# Allegro board 8880F5-0826_3.brd (continued)
## Routing (per net, layer and track width the routed paths; a pad name or vN(x,y) marks a point on that pad's centre or on a via; arc(x,y) is an arc through that point) (continued)
197.31,342.9 ; CSDPS429.B2 198.93,342.9 ; CSDPS429.B2 198.12,343.71 ; D114.B9 328.47,350.52 ; D114.B9 327.66,349.71 ; D114.B9 326.85,350.52 ; D114.B9 327.66,351.33 ; D127.B14 45.72,61.77 ; D127.B14 44.91,60.96 ; D127.B14 45.72,60.15 ; D127.B14 46.53,60.96 ; D302.B8 325.83,71.12 ; D302.B8 325.12,71.83 ; D302.B8 324.41,71.12 ; D302.B8 325.12,70.41 ; D431.A6 187.96,384.35 ; D431.A6 187.15,383.54 ; D431.A6 188.77,383.54 ; D431.A6 187.96,382.73 ; 327.66,329.39 D113.B9 ; D113.B9 326.85,330.2 ; D113.B9 327.66,331.01 ; D113.B9 328.47,330.2 ; D119.B10 182.88,61.77 ; D119.B10 183.69,60.96 ; D119.B10 182.07,60.96 ; D119.B10 182.88,60.15 ; 418.39,91.44 D305.B16 ; D305.B16 419.1,90.73 ; D305.B16 419.81,91.44 ; D305.B16 419.1,92.15 ; D131.B1 87.17,58.42 ; D131.B1 85.55,58.42 ; D131.B1 86.36,57.61 ; D131.B1 86.36,59.23 ; D115.B7 332.74,371.65 ; D115.B7 332.74,370.03 ; D115.B7 331.93,370.84 ; D115.B7 333.55,370.84 ; D111.A6 408.94,374.19 ; D111.A6 408.13,373.38 ; D111.A6 408.94,372.57 ; D111.A6 409.75,373.38 ; 180.34,329.39 CSDPS229.C9 ; CSDPS229.C9 179.53,330.2 ; CSDPS229.C9 180.34,331.01 ; CSDPS229.C9 181.15,330.2 ; CSDPS429.C1 200.66,341.17 ; CSDPS429.C1 201.47,340.36 ; CSDPS429.C1 199.85,340.36 ; CSDPS429.C1 200.66,339.55 ; D114.A6 335.28,353.87 ; D114.A6 335.28,352.25 ; D114.A6 336.09,353.06 ; D114.A6 334.47,353.06 ; 342.09,335.28 D113.A3 ; D113.A3 342.9,336.09 ; D113.A3 343.71,335.28 ; D113.A3 342.9,334.47 ; 254,83.11 D321.A9 ; D321.A9 254,84.53 ; D321.A9 254.71,83.82 ; D321.A9 253.29,83.82 ; 243.03,13.97 DPS3.A05 ; DPS3.A05 243.84,14.78 ; DPS3.A05 243.84,13.16 ; DPS3.A05 244.65,13.97 ; D106.B4 388.62,82.09 ; D106.B4 387.81,81.28 ; D106.B4 389.43,81.28 ; D106.B4 388.62,80.47 ; D112.A15 386.89,396.24 ; D112.A15 385.27,396.24 ; D112.A15 386.08,397.05 ; D112.A15 386.08,395.43 ; 106.68,52.53 D131.A9 ; D131.A9 105.87,53.34 ; D131.A9 107.49,53.34 ; D131.A9 106.68,54.15 ; D110.A4 414.83,353.06 ; D110.A4 414.02,353.87 ; D110.A4 413.21,353.06 ; D110.A4 414.02,352.25 ; 307.34,57.61 D103.B1 ; D103.B1 308.15,58.42 ; D103.B1 306.53,58.42 ; D103.B1 307.34,59.23 ; D431.A9 180.34,386.89 ; D431.A9 179.53,386.08 ; D431.A9 181.15,386.08 ; D431.A9 180.34,385.27 ; SITE4.G9 330.81,187.93 ; SITE4.G9 330.33,188.41 ; SITE4.G9 329.85,187.93 ; SITE4.G9 330.33,187.45 ; D301.A4 315.67,86.36 ; D301.A4 314.96,87.07 ; D301.A4 314.25,86.36 ; D301.A4 314.96,85.65 ; 238.05,68.58 D322.B3 ; D322.B3 238.76,67.87 ; D322.B3 239.47,68.58 ; D322.B3 238.76,69.29 ; 237.95,340.36 CSDPS425.C15 ; CSDPS425.C15 238.76,341.17 ; CSDPS425.C15 239.57,340.36 ; CSDPS425.C15 238.76,339.55 ; D112.A11 396.24,397.05 ; D112.A11 396.24,395.43 ; D112.A11 395.43,396.24 ; D112.A11 397.05,396.24 ; 406.4,32.21 D108.A11 ; D108.A11 406.4,33.83 ; D108.A11 405.59,33.02 ; D108.A11 407.21,33.02 ; 170.18,72.85 D118.A5 ; D118.A5 170.18,74.47 ; D118.A5 169.37,73.66 ; D118.A5 170.99,73.66 ; 385.37,68.58 D306.B3 ; D306.B3 386.08,67.87 ; D306.B3 386.79,68.58 ; D306.B3 386.08,69.29 ; D306.B2 383.54,71.83 ; D306.B2 382.83,71.12 ; D306.B2 383.54,70.41 ; D306.B2 384.25,71.12 ; D106.A4 389.43,76.2 ; D106.A4 388.62,77.01 ; D106.A4 387.81,76.2 ; D106.A4 388.62,75.39 ; D126.B7 28.75,78.74 ; D126.B7 27.94,79.55 ; D126.B7 27.13,78.74 ; D126.B7 27.94,77.93 ; 327.66,72.85 D102.A9 ; D102.A9 328.47,73.66 ; D102.A9 327.66,74.47 ; D102.A9 326.85,73.66 ; D231.B13 170.18,371.65 ; D231.B13 170.18,370.03 ; D231.B13 170.99,370.84 ; D231.B13 169.37,370.84 ; 314.96,60.15 D103.B4 ; D103.B4 314.15,60.96 ; D103.B4 314.96,61.77 ; D103.B4 315.77,60.96 ; D113.A15 312.42,336.09 ; D113.A15 313.23,335.28 ; D113.A15 311.61,335.28 ; D113.A15 312.42,334.47 ; 176.99,60.96 D119.B8 ; D119.B8 178.61,60.96 ; D119.B8 177.8,61.77 ; D119.B8 177.8,60.15 ; D302.B11 333.45,68.58 ; D302.B11 332.03,68.58 ; D302.B11 332.74,67.87 ; D302.B11 332.74,69.29 ; 172.72,75.39 D118.A6 ; D118.A6 171.91,76.2 ; D118.A6 173.53,76.2 ; D118.A6 172.72,77.01 ; 48.26,37.29 D128.B15 ; D128.B15 48.26,38.91 ; D128.B15 49.07,38.1 ; D128.B15 47.45,38.1 ; D119.B13 190.5,59.23 ; D119.B13 190.5,57.61 ; D119.B13 189.69,58.42 ; D119.B13 191.31,58.42 ; D124.B10 257.35,40.64 ; D124.B10 256.54,39.83 ; D124.B10 255.73,40.64 ; D124.B10 256.54,41.45 ; D113.A2 346.25,332.74 ; D113.A2 344.63,332.74 ; D113.A2 345.44,333.55 ; D113.A2 345.44,331.93 ; 344.63,81.28 D102.B16 ; D102.B16 346.25,81.28 ; D102.B16 345.44,80.47 ; D102.B16 345.44,82.09 ; 45.72,55.07 D127.A14 ; D127.A14 45.72,56.69 ; D127.A14 44.91,55.88 ; D127.A14 46.53,55.88 ; D113.B15 313.23,330.2 ; D113.B15 312.42,331.01 ; D113.B15 312.42,329.39 ; D113.B15 311.61,330.2 ; 400.51,396.24 D112.A9 ; D112.A9 401.32,397.05 ; D112.A9 401.32,395.43 ; D112.A9 402.13,396.24 ; 193.04,75.39 D118.A14 ; D118.A14 193.04,77.01 ; D118.A14 192.23,76.2 ; D118.A14 193.85,76.2 ; CSDPS425.C1 274.32,341.17 ; CSDPS425.C1 275.13,340.36 ; CSDPS425.C1 274.32,339.55 ; CSDPS425.C1 273.51,340.36 ; 405.59,38.1 D108.B11 ; D108.B11 407.21,38.1 ; D108.B11 406.4,38.91 ; D108.B11 406.4,37.29 ; 182.88,70.41 D318.B10 ; D318.B10 183.59,71.12 ; D318.B10 182.88,71.83 ; D318.B10 182.17,71.12 ; D431.B6 187.96,379.27 ; D431.B6 187.96,377.65 ; D431.B6 188.77,378.46 ; D431.B6 187.15,378.46 ; 160.02,32.21 D120.A1 ; D120.A1 159.21,33.02 ; D120.A1 160.02,33.83 ; D120.A1 160.83,33.02 ; DPS3.C05 243.84,19.86 ; DPS3.C05 243.03,19.05 ; DPS3.C05 244.65,19.05 ; DPS3.C05 243.84,18.24 ; 325.12,60.15 D103.B8 ; D103.B8 324.31,60.96 ; D103.B8 325.93,60.96 ; D103.B8 325.12,61.77 ; SITE2.G15 331.43,243.31 ; SITE2.G15 330.95,242.83 ; SITE2.G15 331.43,242.35 ; SITE2.G15 331.91,242.83 ; 246.38,65.33 D322.A6 ; D322.A6 247.09,66.04 ; D322.A6 246.38,66.75 ; D322.A6 245.67,66.04 ; 258.27,330.2 CSDPS225.C7 ; CSDPS225.C7 259.89,330.2 ; CSDPS225.C7 259.08,331.01 ; CSDPS225.C7 259.08,329.39 ; 27.94,52.53 D127.A7 ; D127.A7 27.13,53.34 ; D127.A7 28.75,53.34 ; D127.A7 27.94,54.15 ; 40.64,34.75 D128.A12 ; D128.A12 39.83,35.56 ; D128.A12 40.64,36.37 ; D128.A12 41.45,35.56 ; 264.16,88.19 D321.B13 ; D321.B13 264.16,89.61 ; D321.B13 264.87,88.9 ; D321.B13 263.45,88.9 ; 255.83,91.44 D321.B10 ; D321.B10 256.54,92.15 ; D321.B10 257.25,91.44 ; D321.B10 256.54,90.73 ; D127.B5 22.86,59.23 ; D127.B5 22.05,58.42 ; D127.B5 22.86,57.61 ; D127.B5 23.67,58.42 ; 160.02,57.61 D119.B1 ; D119.B1 160.02,59.23 ; D119.B1 159.21,58.42 ; D119.B1 160.83,58.42 ; D108.A2 384.35,35.56 ; D108.A2 383.54,36.37 ; D108.A2 382.73,35.56 ; D108.A2 383.54,34.75 ; 184.61,381 D431.B7 ; D431.B7 185.42,380.19 ; D431.B7 185.42,381.81 ; D431.B7 186.23,381 ; 161.75,55.88 D119.A2 ; D119.A2 162.56,56.69 ; D119.A2 162.56,55.07 ; D119.A2 163.37,55.88 ; 194.77,370.84 D231.B3 ; D231.B3 196.39,370.84 ; D231.B3 195.58,371.65 ; D231.B3 195.58,370.03 ; 390.35,375.92 D111.A13 ; D111.A13 391.97,375.92 ; D111.A13 391.16,375.11 ; D111.A13 391.16,376.73 ; 342.9,370.03 D115.B3 ; D115.B3 343.71,370.84 ; D115.B3 342.09,370.84 ; D115.B3 342.9,371.65 ; D318.A5 170.18,64.21 ; D318.A5 170.89,63.5 ; D318.A5 169.47,63.5 ; D318.A5 170.18,62.79 ; D103.B5 318.31,58.42 ; D103.B5 317.5,59.23 ; D103.B5 317.5,57.61 ; D103.B5 316.69,58.42 ; D127.B8 30.48,61.77 ; D127.B8 30.48,60.15 ; D127.B8 29.67,60.96 ; D127.B8 31.29,60.96 ; D107.A11 406.4,54.15 ; D107.A11 407.21,53.34 ; D107.A11 406.4,52.53 ; D107.A11 405.59,53.34 ; D104.B4 315.77,40.64 ; D104.B4 314.96,39.83 ; D104.B4 314.15,40.64 ; D104.B4 314.96,41.45 ; D124.B11 259.89,38.1 ; D124.B11 259.08,38.91 ; D124.B11 258.27,38.1 ; D124.B11 259.08,37.29 ; D104.B2 310.69,40.64 ; D104.B2 309.07,40.64 ; D104.B2 309.88,39.83 ; D104.B2 309.88,41.45 ; D322.A11 259.08,64.21 ; D322.A11 259.79,63.5 ; D322.A11 259.08,62.79 ; D322.A11 258.37,63.5 ; SITE4.G4 331.81,181.33 ; SITE4.G4 331.33,181.81 ; SITE4.G4 331.33,180.85 ; SITE4.G4 330.85,181.33 ; 416.56,329.39 D109.B3 ; D109.B3 415.75,330.2 ; D109.B3 417.37,330.2 ; D109.B3 416.56,331.01 ; D102.A10 330.2,77.01 ; D102.A10 329.39,76.2 ; D102.A10 331.01,76.2 ; D102.A10 330.2,75.39 ; D127.B15 49.07,58.42 ; D127.B15 47.45,58.42 ; D127.B15 48.26,59.23 ; D127.B15 48.26,57.61 ; D231.A9 181.15,375.92 ; D231.A9 180.34,375.11 ; D231.A9 180.34,376.73 ; D231.A9 179.53,375.92 ; 414.02,60.15 D107.B14 ; D107.B14 414.83,60.96 ; D107.B14 413.21,60.96 ; D107.B14 414.02,61.77 ; 322.58,334.47 D113.A11 ; D113.A11 321.77,335.28 ; D113.A11 322.58,336.09 ; D113.A11 323.39,335.28 ; D107.A9 402.13,53.34 ; D107.A9 400.51,53.34 ; D107.A9 401.32,52.53 ; D107.A9 401.32,54.15 ; 408.94,352.25 D110.A6 ; D110.A6 409.75,353.06 ; D110.A6 408.94,353.87 ; D110.A6 408.13,353.06 ; 174.45,340.36 CSDPS429.C11 ; CSDPS429.C11 175.26,339.55 ; CSDPS429.C11 176.07,340.36 ; CSDPS429.C11 175.26,341.17 ; 199.85,381 D431.B1 ; D431.B1 200.66,381.81 ; D431.B1 201.47,381 ; D431.B1 200.66,380.19 ; D113.B1 347.98,331.01 ; D113.B1 348.79,330.2 ; D113.B1 347.98,329.39 ; D113.B1 347.17,330.2 ; 105.87,58.42 D131.B9 ; D131.B9 106.68,57.61 ; D131.B9 106.68,59.23 ; D131.B9 107.49,58.42 ; 113.49,76.2 D130.A12 ; D130.A12 115.11,76.2 ; D130.A12 114.3,75.39 ; D130.A12 114.3,77.01 ; 182.88,65.33 D318.A10 ; D318.A10 183.59,66.04 ; D318.A10 182.17,66.04 ; D318.A10 182.88,66.75 ; D103.A13 338.63,53.34 ; D103.A13 337.82,54.15 ; D103.A13 337.82,52.53 ; D103.A13 337.01,53.34 ; 332.85,241.33 SITE2.G6 ; SITE2.G6 333.33,240.85 ; SITE2.G6 333.33,241.81 ; SITE2.G6 333.81,241.33 ; 22.86,72.85 D126.A5 ; D126.A5 23.67,73.66 ; D126.A5 22.05,73.66 ; D126.A5 22.86,74.47 ; D131.B6 99.87,60.96 ; D131.B6 99.06,61.77 ; D131.B6 99.06,60.15 ; D131.B6 98.25,60.96 ; D318.A16 198.12,66.75 ; D318.A16 198.83,66.04 ; D318.A16 198.12,65.33 ; D318.A16 197.41,66.04 ; D317.B10 182.88,92.15 ; D317.B10 182.17,91.44 ; D317.B10 182.88,90.73 ; D317.B10 183.59,91.44 ; D110.A1 421.64,356.41 ; D110.A1 420.83,355.6 ; D110.A1 421.64,354.79 ; D110.A1 422.45,355.6 ; D104.A7 322.58,33.83 ; D104.A7 323.39,33.02 ; D104.A7 322.58,32.21 ; D104.A7 321.77,33.02 ; D131.A13 116.84,54.15 ; D131.A13 117.65,53.34 ; D131.A13 116.03,53.34 ; D131.A13 116.84,52.53 ; SITE3.G10 251.33,188.41 ; SITE3.G10 250.85,187.93 ; SITE3.G10 251.81,187.93 ; SITE3.G10 251.33,187.45 ; D231.A2 198.12,374.19 ; D231.A2 198.93,373.38 ; D231.A2 197.31,373.38 ; D231.A2 198.12,372.57 ; SITE1.G9 250.81,247.93 ; SITE1.G9 250.33,247.45 ; SITE1.G9 250.33,248.41 ; SITE1.G9 249.85,247.93 ; D302.A15 342.9,64.21 ; D302.A15 342.9,62.79 ; D302.A15 342.19,63.5 ; D302.A15 343.61,63.5 ; 91.44,98.25 D129.B3 ; D129.B3 91.44,99.87 ; D129.B3 92.25,99.06 ; D129.B3 90.63,99.06 ; 398.78,347.17 D110.B10 ; D110.B10 397.97,347.98 ; D110.B10 398.78,348.79 ; D110.B10 399.59,347.98 ; D231.B2 198.12,369.11 ; D231.B2 197.31,368.3 ; D231.B2 198.93,368.3 ; D231.B2 198.12,367.49 ; CSDPS225.C9 254.81,330.2 ; CSDPS225.C9 253.19,330.2 ; CSDPS225.C9 254,329.39 ; CSDPS225.C9 254,331.01 ; D103.A3 313.23,53.34 ; D103.A3 312.42,52.53 ; D103.A3 312.42,54.15 ; D103.A3 311.61,53.34 ; 33.02,37.29 D128.B9 ; D128.B9 33.02,38.91 ; D128.B9 32.21,38.1 ; D128.B9 33.83,38.1 ; CSDPS425.B6 261.62,343.71 ; CSDPS425.B6 260.81,342.9 ; CSDPS425.B6 261.62,342.09 ; CSDPS425.B6 262.43,342.9 ; SITE4.G19 331.43,186.91 ; SITE4.G19 331.43,185.95 ; SITE4.G19 330.95,186.43 ; SITE4.G19 331.91,186.43 ; D107.A14 414.02,56.69 ; D107.A14 414.83,55.88 ; D107.A14 413.21,55.88 ; D107.A14 414.02,55.07 ; D318.A7 175.26,64.21 ; D318.A7 174.55,63.5 ; D318.A7 175.26,62.79 ; D318.A7 175.97,63.5 ; D115.A9 328.47,375.92 ; D115.A9 327.66,376.73 ; D115.A9 326.85,375.92 ; D115.A9 327.66,375.11 ; 98.25,55.88 D131.A6 ; D131.A6 99.87,55.88 ; D131.A6 99.06,55.07 ; D131.A6 99.06,56.69 ; 392.89,388.62 D112.B12 ; D112.B12 393.7,389.43 ; D112.B12 393.7,387.81 ; D112.B12 394.51,388.62 ; 111.76,98.25 D129.B11 ; D129.B11 112.57,99.06 ; D129.B11 111.76,99.87 ; D129.B11 110.95,99.06 ; D111.B2 419.1,369.11 ; D111.B2 419.1,367.49 ; D111.B2 419.91,368.3 ; D111.B2 418.29,368.3 ; 397.97,373.38 D111.A10 ; D111.A10 398.78,372.57 ; D111.A10 398.78,374.19 ; D111.A10 399.59,373.38 ; D301.B12 335.28,92.15 ; D301.B12 335.28,90.73 ; D301.B12 335.99,91.44 ; D301.B12 334.57,91.44 ; D125.A16 50.8,97.33 ; D125.A16 49.99,96.52 ; D125.A16 50.8,95.71 ; D125.A16 51.61,96.52 ; D231.A12 172.72,374.19 ; D231.A12 172.72,372.57 ; D231.A12 173.53,373.38 ; D231.A12 171.91,373.38 ; 342.9,52.53 D103.A15 ; D103.A15 342.9,54.15 ; D103.A15 342.09,53.34 ; D103.A15 343.71,53.34 ; 190.5,52.53 D119.A13 ; D119.A13 189.69,53.34 ; D119.A13 190.5,54.15 ; D119.A13 191.31,53.34 ; D321.B15 269.95,88.9 ; D321.B15 268.53,88.9 ; D321.B15 269.24,88.19 ; D321.B15 269.24,89.61 ; D119.A9 181.15,53.34 ; D119.A9 180.34,54.15 ; D119.A9 180.34,52.53 ; D119.A9 179.53,53.34 ; D301.A7 322.58,84.53 ; D301.A7 322.58,83.11 ; D301.A7 321.87,83.82 ; D301.A7 323.29,83.82 ; 172.72,90.73 D317.B6 ; D317.B6 172.72,92.15 ; D317.B6 172.01,91.44 ; D317.B6 173.43,91.44 ; 328.85,187.93 SITE4.G8 ; SITE4.G8 329.33,187.45 ; SITE4.G8 329.81,187.93 ; SITE4.G8 329.33,188.41 ; 263.45,83.82 D321.A13 ; D321.A13 264.16,84.53 ; D321.A13 264.16,83.11 ; D321.A13 264.87,83.82 ; UNK3U1.4 97.29,162.79 ; UNK3U1.4 98.23,161.85 ; UNK3U1.4 96.35,161.85 ; UNK3U1.4 97.29,160.91 ; 331.43,245.95 SITE2.G19 ; SITE2.G19 331.43,246.91 ; SITE2.G19 330.95,246.43 ; SITE2.G19 331.91,246.43 ; D321.B5 244.55,88.9 ; D321.B5 243.84,89.61 ; D321.B5 243.13,88.9 ; D321.B5 243.84,88.19 ; 32.21,93.98 D125.A9 ; D125.A9 33.02,94.79 ; D125.A9 33.02,93.17 ; D125.A9 33.83,93.98 ; 187.96,85.65 D317.A12 ; D317.A12 188.67,86.36 ; D317.A12 187.96,87.07 ; D317.A12 187.25,86.36 ; 342.9,32.21 D104.A15 ; D104.A15 342.09,33.02 ; D104.A15 342.9,33.83 ; D104.A15 343.71,33.02 ; D129.A1 87.17,93.98 ; D129.A1 86.36,93.17 ; D129.A1 86.36,94.79 ; D129.A1 85.55,93.98 ; 82.37,209.04 S3_I2C.4 ; S3_I2C.4 83.31,209.98 ; S3_I2C.4 84.25,209.04 ; S3_I2C.4 83.31,208.1 ; 187.15,60.96 D119.B12 ; D119.B12 187.96,60.15 ; D119.B12 187.96,61.77 ; D119.B12 188.77,60.96 ; 380.19,53.34 D107.A1 ; D107.A1 381.81,53.34 ; D107.A1 381,54.15 ; D107.A1 381,52.53 ; 15.24,34.75 D128.A2 ; D128.A2 14.43,35.56 ; D128.A2 15.24,36.37 ; D128.A2 16.05,35.56 ; D305.B7 396.95,88.9 ; D305.B7 395.53,88.9 ; D305.B7 396.24,88.19 ; D305.B7 396.24,89.61 ; DPS1.C15 417.37,19.05 ; DPS1.C15 416.56,19.86 ; DPS1.C15 416.56,18.24 ; DPS1.C15 415.75,19.05 ; 182.88,382.73 D431.A8 ; D431.A8 183.69,383.54 ; D431.A8 182.07,383.54 ; D431.A8 182.88,384.35 ; D107.A6 393.7,56.69 ; D107.A6 392.89,55.88 ; D107.A6 393.7,55.07 ; D107.A6 394.51,55.88 ; SITE1.G8 249.33,248.41 ; SITE1.G8 249.33,247.45 ; SITE1.G8 248.85,247.93 ; SITE1.G8 249.81,247.93 ; D127.B13 43.99,58.42 ; D127.B13 42.37,58.42 ; D127.B13 43.18,57.61 ; D127.B13 43.18,59.23 ; D112.A12 394.51,393.7 ; D112.A12 393.7,394.51 ; D112.A12 393.7,392.89 ; D112.A12 392.89,393.7 ; 182.07,76.2 D118.A10 ; D118.A10 182.88,75.39 ; D118.A10 182.88,77.01 ; D118.A10 183.69,76.2 ; D231.B17 160.83,370.84 ; D231.B17 160.02,370.03 ; D231.B17 159.21,370.84 ; D231.B17 160.02,371.65 ; D120.B13 191.31,38.1 ; D120.B13 190.5,37.29 ; D120.B13 189.69,38.1 ; D120.B13 190.5,38.91 ; D122.A2 236.22,77.01 ; D122.A2 236.22,75.39 ; D122.A2 235.41,76.2 ; D122.A2 237.03,76.2 ; 337.01,415.29 DPS2.A05 ; DPS2.A05 338.63,415.29 ; DPS2.A05 337.82,416.1 ; DPS2.A05 337.82,414.48 ; SITE4.G6 333.33,181.81 ; SITE4.G6 333.33,180.85 ; SITE4.G6 332.85,181.33 ; SITE4.G6 333.81,181.33 ; 405.59,73.66 D106.A11 ; D106.A11 407.21,73.66 ; D106.A11 406.4,72.85 ; D106.A11 406.4,74.47 ; D116.A16 310.69,393.7 ; D116.A16 309.88,392.89 ; D116.A16 309.07,393.7 ; D116.A16 309.88,394.51 ; D116.B14 314.96,389.43 ; D116.B14 315.77,388.62 ; D116.B14 314.15,388.62 ; D116.B14 314.96,387.81 ; D431.B10 177.8,379.27 ; D431.B10 178.61,378.46 ; D431.B10 177.8,377.65 ; D431.B10 176.99,378.46 ; D111.A4 414.02,374.19 ; D111.A4 413.21,373.38 ; D111.A4 414.83,373.38 ; D111.A4 414.02,372.57 ; D108.B8 399.59,40.64 ; D108.B8 398.78,39.83 ; D108.B8 398.78,41.45 ; D108.B8 397.97,40.64 ; 391.16,390.35 D112.B13 ; D112.B13 390.35,391.16 ; D112.B13 391.97,391.16 ; D112.B13 391.16,391.97 ; 248.21,83.82 D321.A7 ; D321.A7 248.92,84.53 ; D321.A7 249.63,83.82 ; D321.A7 248.92,83.11 ; 93.17,40.64 D132.B4 ; D132.B4 93.98,39.83 ; D132.B4 94.79,40.64 ; D132.B4 93.98,41.45 ; 387.81,388.62 D112.B14 ; D112.B14 388.62,389.43 ; D112.B14 389.43,388.62 ; D112.B14 388.62,387.81 ; U1.4 97.98,205.54 ; U1.4 96.1,205.54 ; U1.4 97.04,206.48 ; U1.4 97.04,204.6 ; 383.54,387.81 D112.B16 ; D112.B16 384.35,388.62 ; D112.B16 382.73,388.62 ; D112.B16 383.54,389.43 ; D321.A11 259.08,84.53 ; D321.A11 258.37,83.82 ; D321.A11 259.79,83.82 ; D321.A11 259.08,83.11 ; SITE3.G12 253.81,187.93 ; SITE3.G12 253.33,188.41 ; SITE3.G12 253.33,187.45 ; SITE3.G12 252.85,187.93 ; 416.56,349.71 D110.B3 ; D110.B3 417.37,350.52 ; D110.B3 415.75,350.52 ; D110.B3 416.56,351.33 ; 232.87,38.1 D124.B1 ; D124.B1 233.68,37.29 ; D124.B1 234.49,38.1 ; D124.B1 233.68,38.91 ; D302.A6 320.04,66.75 ; D302.A6 320.04,65.33 ; D302.A6 320.75,66.04 ; D302.A6 319.33,66.04 ; D116.A4 340.36,394.51 ; D116.A4 340.36,392.89 ; D116.A4 339.55,393.7 ; D116.A4 341.17,393.7 ; D231.A15 165.1,376.73 ; D231.A15 165.91,375.92 ; D231.A15 165.1,375.11 ; D231.A15 164.29,375.92 ; 398.78,75.39 D106.A8 ; D106.A8 398.78,77.01 ; D106.A8 399.59,76.2 ; D106.A8 397.97,76.2 ; D132.B5 97.33,38.1 ; D132.B5 96.52,37.29 ; D132.B5 96.52,38.91 ; D132.B5 95.71,38.1 ; D119.B14 193.85,60.96 ; D119.B14 193.04,61.77 ; D119.B14 193.04,60.15 ; D119.B14 192.23,60.96 ; 166.93,86.36 D317.A4 ; D317.A4 168.35,86.36 ; D317.A4 167.64,87.07 ; D317.A4 167.64,85.65 ; D129.B5 97.33,99.06 ; D129.B5 96.52,98.25 ; D129.B5 95.71,99.06 ; D129.B5 96.52,99.87 ; D114.B8 331.01,347.98 ; D114.B8 329.39,347.98 ; D114.B8 330.2,347.17 ; D114.B8 330.2,348.79 ; 396.24,354.79 D110.A11 ; D110.A11 397.05,355.6 ; D110.A11 395.43,355.6 ; D110.A11 396.24,356.41 ; 261.62,34.75 D124.A12 ; D124.A12 260.81,35.56 ; D124.A12 261.62,36.37 ; D124.A12 262.43,35.56 ; D122.B10 257.35,81.28 ; D122.B10 256.54,82.09 ; D122.B10 255.73,81.28 ; D122.B10 256.54,80.47 ; D302.B3 313.13,68.58 ; D302.B3 311.71,68.58 ; D302.B3 312.42,69.29 ; D302.B3 312.42,67.87 ; D302.A3 312.42,64.21 ; D302.A3 312.42,62.79 ; D302.A3 311.71,63.5 ; D302.A3 313.13,63.5 ; 339.55,40.64 D104.B14 ; D104.B14 341.17,40.64 ; D104.B14 340.36,39.83 ; D104.B14 340.36,41.45 ; D321.B11 259.08,89.61 ; D321.B11 258.37,88.9 ; D321.B11 259.79,88.9 ; D321.B11 259.08,88.19 ; 337.01,73.66 D102.A13 ; D102.A13 337.82,74.47 ; D102.A13 338.63,73.66 ; D102.A13 337.82,72.85 ; 91.44,57.61 D131.B3 ; D131.B3 91.44,59.23 ; D131.B3 92.25,58.42 ; D131.B3 90.63,58.42 ; 85.55,78.74 D130.B1 ; D130.B1 87.17,78.74 ; D130.B1 86.36,79.55 ; D130.B1 86.36,77.93 ; D131.B12 114.3,61.77 ; D131.B12 114.3,60.15 ; D131.B12 115.11,60.96 ; D131.B12 113.49,60.96 ; 400.51,38.1 D108.B9 ; D108.B9 401.32,38.91 ; D108.B9 402.13,38.1 ; D108.B9 401.32,37.29 ; D126.A8 31.29,76.2 ; D126.A8 30.48,77.01 ; D126.A8 30.48,75.39 ; D126.A8 29.67,76.2 ; D130.B14 120.19,81.28 ; D130.B14 118.57,81.28 ; D130.B14 119.38,80.47 ; D130.B14 119.38,82.09 ; 243.84,62.79 D322.A5 ; D322.A5 243.13,63.5 ; D322.A5 243.84,64.21 ; D322.A5 244.55,63.5 ; 187.96,70.41 D318.B12 ; D318.B12 187.25,71.12 ; D318.B12 188.67,71.12 ; D318.B12 187.96,71.83 ; D111.B10 399.59,368.3 ; D111.B10 398.78,367.49 ; D111.B10 398.78,369.11 ; D111.B10 397.97,368.3 ; D317.A5 170.18,84.53 ; D317.A5 170.18,83.11 ; D317.A5 170.89,83.82 ; D317.A5 169.47,83.82 ; D306.B7 396.24,69.29 ; D306.B7 396.95,68.58 ; D306.B7 395.53,68.58 ; D306.B7 396.24,67.87 ; 314.15,353.06 D114.A14 ; D114.A14 314.96,353.87 ; D114.A14 315.77,353.06 ; D114.A14 314.96,352.25 ; D126.A11 38.91,73.66 ; D126.A11 38.1,72.85 ; D126.A11 37.29,73.66 ; D126.A11 38.1,74.47 ; D108.A1 381,33.83 ; D108.A1 380.19,33.02 ; D108.A1 381.81,33.02 ; D108.A1 381,32.21 ; CSDPS429.B6 188.77,342.9 ; CSDPS429.B6 187.96,342.09 ; CSDPS429.B6 187.15,342.9 ; CSDPS429.B6 187.96,343.71 ; 174.45,386.08 D431.A11 ; D431.A11 176.07,386.08 ; D431.A11 175.26,386.89 ; D431.A11 175.26,385.27 ; D306.B8 398.78,71.83 ; D306.B8 399.49,71.12 ; D306.B8 398.78,70.41 ; D306.B8 398.07,71.12 ; 93.17,60.96 D131.B4 ; D131.B4 93.98,61.77 ; D131.B4 93.98,60.15 ; D131.B4 94.79,60.96 ; 331.93,33.02 D104.A11 ; D104.A11 333.55,33.02 ; D104.A11 332.74,32.21 ; D104.A11 332.74,33.83 ; D109.B6 408.94,328.47 ; D109.B6 408.13,327.66 ; D109.B6 408.94,326.85 ; D109.B6 409.75,327.66 ; 337.01,391.16 D116.B5 ; D116.B5 337.82,390.35 ; D116.B5 338.63,391.16 ; D116.B5 337.82,391.97 ; 116.03,93.98 D129.A13 ; D129.A13 117.65,93.98 ; D129.A13 116.84,93.17 ; D129.A13 116.84,94.79 ; 180.34,380.19 D431.B9 ; D431.B9 181.15,381 ; D431.B9 180.34,381.81 ; D431.B9 179.53,381 ; D109.A7 407.21,335.28 ; D109.A7 405.59,335.28 ; D109.A7 406.4,334.47 ; D109.A7 406.4,336.09 ; D112.A8 404.67,393.7 ; D112.A8 403.86,394.51 ; D112.A8 403.05,393.7 ; D112.A8 403.86,392.89 ; D322.A14 266.7,66.75 ; D322.A14 266.7,65.33 ; D322.A14 265.99,66.04 ; D322.A14 267.41,66.04 ; D321.A3 239.47,83.82 ; D321.A3 238.76,84.53 ; D321.A3 238.05,83.82 ; D321.A3 238.76,83.11 ; D128.B11 38.1,38.91 ; D128.B11 38.1,37.29 ; D128.B11 38.91,38.1 ; D128.B11 37.29,38.1 ; D302.B4 315.67,71.12 ; D302.B4 314.96,71.83 ; D302.B4 314.25,71.12 ; D302.B4 314.96,70.41 ; 408.13,40.64 D108.B12 ; D108.B12 408.94,39.83 ; D108.B12 408.94,41.45 ; D108.B12 409.75,40.64 ; 312.42,88.19 D301.B3 ; D301.B3 313.13,88.9 ; D301.B3 311.71,88.9 ; D301.B3 312.42,89.61 ; D119.B4 167.64,61.77 ; D119.B4 167.64,60.15 ; D119.B4 168.45,60.96 ; D119.B4 166.83,60.96 ; D131.A11 111.76,54.15 ; D131.A11 112.57,53.34 ; D131.A11 110.95,53.34 ; D131.A11 111.76,52.53 ; 170.18,375.11 D231.A13 ; D231.A13 170.99,375.92 ; D231.A13 169.37,375.92 ; D231.A13 170.18,376.73 ; D114.A3 342.9,356.41 ; D114.A3 342.09,355.6 ; D114.A3 343.71,355.6 ; D114.A3 342.9,354.79 ; D126.B14 46.53,81.28 ; D126.B14 45.72,80.47 ; D126.B14 45.72,82.09 ; D126.B14 44.91,81.28 ; D111.A5 412.29,375.92 ; D111.A5 411.48,375.11 ; D111.A5 411.48,376.73 ; D111.A5 410.67,375.92 ; 269.24,18.24 DPS3.C15 ; DPS3.C15 269.24,19.86 ; DPS3.C15 268.43,19.05 ; DPS3.C15 270.05,19.05 ; 406.4,375.11 D111.A7 ; D111.A7 406.4,376.73 ; D111.A7 405.59,375.92 ; D111.A7 407.21,375.92 ; 159.21,386.08 D431.A17 ; D431.A17 160.02,386.89 ; D431.A17 160.02,385.27 ; D431.A17 160.83,386.08 ; 406.4,83.11 D305.A11 ; D305.A11 407.11,83.82 ; D305.A11 406.4,84.53 ; D305.A11 405.69,83.82 ; 416.56,67.87 D306.B15 ; D306.B15 415.85,68.58 ; D306.B15 417.27,68.58 ; D306.B15 416.56,69.29 ; D130.A7 102.41,73.66 ; D130.A7 100.79,73.66 ; D130.A7 101.6,74.47 ; D130.A7 101.6,72.85 ; D302.B6 320.04,71.83 ; D302.B6 320.75,71.12 ; D302.B6 319.33,71.12 ; D302.B6 320.04,70.41 ; D120.A8 178.61,35.56 ; D120.A8 177.8,36.37 ; D120.A8 177.8,34.75 ; D120.A8 176.99,35.56 ; D115.A6 335.28,374.19 ; D115.A6 334.47,373.38 ; D115.A6 336.09,373.38 ; D115.A6 335.28,372.57 ; D109.A1 421.64,336.09 ; D109.A1 422.45,335.28 ; D109.A1 420.83,335.28 ; D109.A1 421.64,334.47 ; D127.B11 38.1,59.23 ; D127.B11 38.1,57.61 ; D127.B11 38.91,58.42 ; D127.B11 37.29,58.42 ; D124.B5 243.84,38.91 ; D124.B5 243.84,37.29 ; D124.B5 244.65,38.1 ; D124.B5 243.03,38.1 ; D115.A14 315.77,373.38 ; D115.A14 314.96,374.19 ; D115.A14 314.15,373.38 ; D115.A14 314.96,372.57 ; 256.54,331.93 CSDPS225.B8 ; CSDPS225.B8 257.35,332.74 ; CSDPS225.B8 255.73,332.74 ; CSDPS225.B8 256.54,333.55 ; D301.A16 345.44,87.07 ; D301.A16 346.15,86.36 ; D301.A16 345.44,85.65 ; D301.A16 344.73,86.36 ; 187.96,372.57 D231.A6 ; D231.A6 187.15,373.38 ; D231.A6 187.96,374.19 ; D231.A6 188.77,373.38 ; CSDPS229.B14 168.45,332.74 ; CSDPS229.B14 166.83,332.74 ; CSDPS229.B14 167.64,331.93 ; CSDPS229.B14 167.64,333.55 ; D120.B15 196.39,38.1 ; D120.B15 195.58,38.91 ; D120.B15 194.77,38.1 ; D120.B15 195.58,37.29 ; D131.B7 101.6,59.23 ; D131.B7 100.79,58.42 ; D131.B7 101.6,57.61 ; D131.B7 102.41,58.42 ; SITE2.G17 329.51,246.43 ; SITE2.G17 329.03,245.95 ; SITE2.G17 328.55,246.43 ; SITE2.G17 329.03,246.91 ; 49.99,40.64 D128.B16 ; D128.B16 50.8,39.83 ; D128.B16 51.61,40.64 ; D128.B16 50.8,41.45 ; D130.A11 112.57,73.66 ; D130.A11 111.76,74.47 ; D130.A11 111.76,72.85 ; D130.A11 110.95,73.66 ; 199.85,330.2 CSDPS229.C1 ; CSDPS229.C1 200.66,329.39 ; CSDPS229.C1 200.66,331.01 ; CSDPS229.C1 201.47,330.2 ; D124.B7 248.92,38.91 ; D124.B7 248.92,37.29 ; D124.B7 248.11,38.1 ; D124.B7 249.73,38.1 ; D305.B14 414.73,91.44 ; D305.B14 414.02,90.73 ; D305.B14 414.02,92.15 ; D305.B14 413.31,91.44 ; 185.42,375.11 D231.A7 ; D231.A7 186.23,375.92 ; D231.A7 184.61,375.92 ; D231.A7 185.42,376.73 ; D111.B5 411.48,371.65 ; D111.B5 412.29,370.84 ; D111.B5 410.67,370.84 ; D111.B5 411.48,370.03 ; D128.A5 22.86,33.83 ; D128.A5 22.05,33.02 ; D128.A5 22.86,32.21 ; D128.A5 23.67,33.02 ; D317.A3 165.1,84.53 ; D317.A3 164.39,83.82 ; D317.A3 165.1,83.11 ; D317.A3 165.81,83.82 ; D127.A16 50.8,56.69 ; D127.A16 49.99,55.88 ; D127.A16 50.8,55.07 ; D127.A16 51.61,55.88 ; D322.B7 249.63,68.58 ; D322.B7 248.92,67.87 ; D322.B7 248.21,68.58 ; D322.B7 248.92,69.29 ; 324.31,55.88 D103.A8 ; D103.A8 325.93,55.88 ; D103.A8 325.12,56.69 ; D103.A8 325.12,55.07 ; 325.12,65.33 D302.A8 ; D302.A8 325.83,66.04 ; D302.A8 324.41,66.04 ; D302.A8 325.12,66.75 ; 403.05,388.62 D112.B8 ; D112.B8 403.86,387.81 ; D112.B8 403.86,389.43 ; D112.B8 404.67,388.62 ; D115.A11 322.58,376.73 ; D115.A11 321.77,375.92 ; D115.A11 323.39,375.92 ; D115.A11 322.58,375.11 ; CSDPS229.C13 170.99,330.2 ; CSDPS229.C13 170.18,329.39 ; CSDPS229.C13 170.18,331.01 ; CSDPS229.C13 169.37,330.2 ; D111.B15 386.89,370.84 ; D111.B15 386.08,370.03 ; D111.B15 386.08,371.65 ; D111.B15 385.27,370.84 ; 385.27,38.1 D108.B3 ; D108.B3 386.89,38.1 ; D108.B3 386.08,37.29 ; D108.B3 386.08,38.91 ; D110.A7 406.4,356.41 ; D110.A7 406.4,354.79 ; D110.A7 407.21,355.6 ; D110.A7 405.59,355.6 ; D231.B10 177.8,369.11 ; D231.B10 176.99,368.3 ; D231.B10 178.61,368.3 ; D231.B10 177.8,367.49 ; 334.47,76.2 D102.A12 ; D102.A12 336.09,76.2 ; D102.A12 335.28,75.39 ; D102.A12 335.28,77.01 ; D132.A11 112.57,33.02 ; D132.A11 111.76,33.83 ; D132.A11 111.76,32.21 ; D132.A11 110.95,33.02 ; 237.95,53.34 D123.A3 ; D123.A3 238.76,54.15 ; D123.A3 238.76,52.53 ; D123.A3 239.57,53.34 ; D126.A7 28.75,73.66 ; D126.A7 27.13,73.66 ; D126.A7 27.94,74.47 ; D126.A7 27.94,72.85 ; 418.29,353.06 D110.A2 ; D110.A2 419.1,352.25 ; D110.A2 419.1,353.87 ; D110.A2 419.91,353.06 ; 340.36,331.93 D113.A4 ; D113.A4 341.17,332.74 ; D113.A4 340.36,333.55 ; D113.A4 339.55,332.74 ; 170.18,380.19 D431.B13 ; D431.B13 170.18,381.81 ; D431.B13 169.37,381 ; D431.B13 170.99,381 ; 408.94,55.07 D107.A12 ; D107.A12 408.13,55.88 ; D107.A12 409.75,55.88 ; D107.A12 408.94,56.69 ; 185.42,62.79 D318.A11 ; D318.A11 186.13,63.5 ; D318.A11 184.71,63.5 ; D318.A11 185.42,64.21 ; D322.B10 257.25,71.12 ; D322.B10 256.54,70.41 ; D322.B10 255.83,71.12 ; D322.B10 256.54,71.83 ; D116.A6 335.28,394.51 ; D116.A6 336.09,393.7 ; D116.A6 335.28,392.89 ; D116.A6 334.47,393.7 ; 386.08,32.21 D108.A3 ; D108.A3 386.89,33.02 ; D108.A3 385.27,33.02 ; D108.A3 386.08,33.83 ; D102.B2 310.69,81.28 ; D102.B2 309.88,82.09 ; D102.B2 309.88,80.47 ; D102.B2 309.07,81.28 ; SITE3.G17 249.51,186.43 ; SITE3.G17 249.03,186.91 ; SITE3.G17 249.03,185.95 ; SITE3.G17 248.55,186.43 ; 105.87,73.66 D130.A9 ; D130.A9 106.68,72.85 ; D130.A9 107.49,73.66 ; D130.A9 106.68,74.47 ; 263.35,38.1 D124.B13 ; D124.B13 264.97,38.1 ; D124.B13 264.16,37.29 ; D124.B13 264.16,38.91 ; 93.98,75.39 D130.A4 ; D130.A4 93.17,76.2 ; D130.A4 93.98,77.01 ; D130.A4 94.79,76.2 ; 326.95,88.9 D301.B9 ; D301.B9 328.37,88.9 ; D301.B9 327.66,88.19 ; D301.B9 327.66,89.61 ; SITE2.G14 330.71,242.83 ; SITE2.G14 329.75,242.83 ; SITE2.G14 330.23,242.35 ; SITE2.G14 330.23,243.31 ; 250.65,342.9 CSDPS425.B10 ; CSDPS425.B10 251.46,342.09 ; CSDPS425.B10 251.46,343.71 ; CSDPS425.B10 252.27,342.9 ; D129.A8 104.14,97.33 ; D129.A8 104.14,95.71 ; D129.A8 103.33,96.52 ; D129.A8 104.95,96.52 ; 332.74,395.43 D116.A7 ; D116.A7 331.93,396.24 ; D116.A7 332.74,397.05 ; D116.A7 333.55,396.24 ; SITE1.G4 251.81,241.33 ; SITE1.G4 251.33,241.81 ; SITE1.G4 251.33,240.85 ; SITE1.G4 250.85,241.33 ; D132.B11 111.76,38.91 ; D132.B11 112.57,38.1 ; D132.B11 110.95,38.1 ; D132.B11 111.76,37.29 ; 253.19,73.66 D122.A9 ; D122.A9 254,72.85 ; D122.A9 254,74.47 ; D122.A9 254.81,73.66 ; D118.B16 198.93,81.28 ; D118.B16 198.12,80.47 ; D118.B16 198.12,82.09 ; D118.B16 197.31,81.28 ; SITE3.G16 253.11,182.83 ; SITE3.G16 252.63,183.31 ; SITE3.G16 252.15,182.83 ; SITE3.G16 252.63,182.35 ; D122.B4 242.11,81.28 ; D122.B4 241.3,82.09 ; D122.B4 240.49,81.28 ; D122.B4 241.3,80.47 ; D116.A3 342.9,397.05 ; D116.A3 343.71,396.24 ; D116.A3 342.9,395.43 ; D116.A3 342.09,396.24 ; D109.B9 401.32,331.01 ; D109.B9 401.32,329.39 ; D109.B9 402.13,330.2 ; D109.B9 400.51,330.2 ; 185.42,385.27 D431.A7 ; D431.A7 184.61,386.08 ; D431.A7 185.42,386.89 ; D431.A7 186.23,386.08 ; CSDPS429.C9 180.34,341.17 ; CSDPS429.C9 181.15,340.36 ; CSDPS429.C9 180.34,339.55 ; CSDPS429.C9 179.53,340.36 ; D131.A3 92.25,53.34 ; D131.A3 90.63,53.34 ; D131.A3 91.44,54.15 ; D131.A3 91.44,52.53 ; 330.2,60.15 D103.B10 ; D103.B10 331.01,60.96 ; D103.B10 329.39,60.96 ; D103.B10 330.2,61.77 ; D322.B15 269.24,69.29 ; D322.B15 269.95,68.58 ; D322.B15 268.53,68.58 ; D322.B15 269.24,67.87 ; D120.B10 183.69,40.64 ; D120.B10 182.88,41.45 ; D120.B10 182.07,40.64 ; D120.B10 182.88,39.83 ; 316.69,33.02 D104.A5 ; D104.A5 318.31,33.02 ; D104.A5 317.5,32.21 ; D104.A5 317.5,33.83 ; D129.B9 107.49,99.06 ; D129.B9 106.68,98.25 ; D129.B9 105.87,99.06 ; D129.B9 106.68,99.87 ; 325.12,352.25 D114.A10 ; D114.A10 325.12,353.87 ; D114.A10 325.93,353.06 ; D114.A10 324.31,353.06 ; D129.B4 93.98,102.41 ; D129.B4 93.98,100.79 ; D129.B4 93.17,101.6 ; D129.B4 94.79,101.6 ; D103.A1 307.34,54.15 ; D103.A1 308.15,53.34 ; D103.A1 307.34,52.53 ; D103.A1 306.53,53.34 ; 90.63,33.02 D132.A3 ; D132.A3 92.25,33.02 ; D132.A3 91.44,33.83 ; D132.A3 91.44,32.21 ; 170.18,57.61 D119.B5 ; D119.B5 170.18,59.23 ; D119.B5 169.37,58.42 ; D119.B5 170.99,58.42 ; 324.31,81.28 D102.B8 ; D102.B8 325.12,80.47 ; D102.B8 325.93,81.28 ; D102.B8 325.12,82.09 ; D321.B1 233.68,89.61 ; D321.B1 232.97,88.9 ; D321.B1 234.39,88.9 ; D321.B1 233.68,88.19 ; D120.A3 165.1,33.83 ; D120.A3 165.1,32.21 ; D120.A3 164.29,33.02 ; D120.A3 165.91,33.02 ; D123.B1 234.49,58.42 ; D123.B1 233.68,57.61 ; D123.B1 233.68,59.23 ; D123.B1 232.87,58.42 ; D125.A12 41.45,96.52 ; D125.A12 40.64,95.71 ; D125.A12 40.64,97.33 ; D125.A12 39.83,96.52 ; 388.62,90.73 D305.B4 ; D305.B4 389.33,91.44 ; D305.B4 388.62,92.15 ; D305.B4 387.91,91.44 ; 385.27,78.74 D106.B3 ; D106.B3 386.08,79.55 ; D106.B3 386.89,78.74 ; D106.B3 386.08,77.93 ; 311.61,78.74 D102.B3 ; D102.B3 312.42,79.55 ; D102.B3 312.42,77.93 ; D102.B3 313.23,78.74 ; 171.91,378.46 D431.B12 ; D431.B12 173.53,378.46 ; D431.B12 172.72,377.65 ; D431.B12 172.72,379.27 ; D132.A13 117.65,33.02 ; D132.A13 116.03,33.02 ; D132.A13 116.84,33.83 ; D132.A13 116.84,32.21 ; D132.B12 114.3,41.45 ; D132.B12 114.3,39.83 ; D132.B12 115.11,40.64 ; D132.B12 113.49,40.64 ; 406.4,13.16 DPS1.A11 ; DPS1.A11 407.21,13.97 ; DPS1.A11 405.59,13.97 ; DPS1.A11 406.4,14.78 ; D305.A1 381,84.53 ; D305.A1 381.71,83.82 ; D305.A1 380.29,83.82 ; D305.A1 381,83.11 ; D302.B1 307.34,69.29 ; D302.B1 308.05,68.58 ; D302.B1 306.63,68.58 ; D302.B1 307.34,67.87 ; 165.1,57.61 D119.B3 ; D119.B3 164.29,58.42 ; D119.B3 165.91,58.42 ; D119.B3 165.1,59.23 ; D122.A14 267.51,76.2 ; D122.A14 266.7,77.01 ; D122.A14 265.89,76.2 ; D122.A14 266.7,75.39 ; 256.54,342.09 CSDPS425.B8 ; CSDPS425.B8 255.73,342.9 ; CSDPS425.B8 257.35,342.9 ; CSDPS425.B8 256.54,343.71 ; 85.55,33.02 D132.A1 ; D132.A1 87.17,33.02 ; D132.A1 86.36,33.83 ; D132.A1 86.36,32.21 ; 174.45,415.29 DPS8.A11 ; DPS8.A11 176.07,415.29 ; DPS8.A11 175.26,414.48 ; DPS8.A11 175.26,416.1 ; 187.96,55.07 D119.A12 ; D119.A12 187.96,56.69 ; D119.A12 188.77,55.88 ; D119.A12 187.15,55.88 ; 42.37,93.98 D125.A13 ; D125.A13 43.18,94.79 ; D125.A13 43.99,93.98 ; D125.A13 43.18,93.17 ; D110.A13 391.16,356.41 ; D110.A13 391.16,354.79 ; D110.A13 390.35,355.6 ; D110.A13 391.97,355.6 ; 320.04,367.49 D115.B12 ; D115.B12 320.04,369.11 ; D115.B12 320.85,368.3 ; D115.B12 319.23,368.3 ; DPS2.C11 323.39,410.21 ; DPS2.C11 321.77,410.21 ; DPS2.C11 322.58,411.02 ; DPS2.C11 322.58,409.4 ; D317.B15 196.29,88.9 ; D317.B15 195.58,88.19 ; D317.B15 194.87,88.9 ; D317.B15 195.58,89.61 ; D107.B5 391.97,58.42 ; D107.B5 390.35,58.42 ; D107.B5 391.16,59.23 ; D107.B5 391.16,57.61 ; 332.74,77.93 D102.B11 ; D102.B11 332.74,79.55 ; D102.B11 331.93,78.74 ; D102.B11 333.55,78.74 ; 99.06,95.71 D129.A6 ; D129.A6 99.87,96.52 ; D129.A6 98.25,96.52 ; D129.A6 99.06,97.33 ; 176.99,76.2 D118.A8 ; D118.A8 177.8,75.39 ; D118.A8 178.61,76.2 ; D118.A8 177.8,77.01 ; D104.A3 313.23,33.02 ; D104.A3 312.42,32.21 ; D104.A3 311.61,33.02 ; D104.A3 312.42,33.83 ; 309.17,66.04 D302.A2 ; D302.A2 309.88,65.33 ; D302.A2 309.88,66.75 ; D302.A2 310.59,66.04 ; D128.A11 38.91,33.02 ; D128.A11 38.1,32.21 ; D128.A11 37.29,33.02 ; D128.A11 38.1,33.83 ; 42.37,38.1 D128.B13 ; D128.B13 43.99,38.1 ; D128.B13 43.18,38.91 ; D128.B13 43.18,37.29 ; D125.B8 30.48,102.41 ; D125.B8 31.29,101.6 ; D125.B8 30.48,100.79 ; D125.B8 29.67,101.6 ; 50.8,100.79 D125.B16 ; D125.B16 51.61,101.6 ; D125.B16 49.99,101.6 ; D125.B16 50.8,102.41 ; D431.B16 162.56,379.27 ; D431.B16 163.37,378.46 ; D431.B16 162.56,377.65 ; D431.B16 161.75,378.46 ; 342.09,38.1 D104.B15 ; D104.B15 343.71,38.1 ; D104.B15 342.9,38.91 ; D104.B15 342.9,37.29 ; D114.A4 340.36,353.87 ; D114.A4 339.55,353.06 ; D114.A4 341.17,353.06 ; D114.A4 340.36,352.25 ; D125.A4 21.13,96.52 ; D125.A4 19.51,96.52 ; D125.A4 20.32,95.71 ; D125.A4 20.32,97.33 ; D322.B1 234.39,68.58 ; D322.B1 233.68,69.29 ; D322.B1 233.68,67.87 ; D322.B1 232.97,68.58 ; 193.04,331.93 CSDPS229.B4 ; CSDPS229.B4 192.23,332.74 ; CSDPS229.B4 193.04,333.55 ; CSDPS229.B4 193.85,332.74 ; 159.21,53.34 D119.A1 ; D119.A1 160.83,53.34 ; D119.A1 160.02,54.15 ; D119.A1 160.02,52.53 ; 162.56,75.39 D118.A2 ; D118.A2 161.75,76.2 ; D118.A2 163.37,76.2 ; D118.A2 162.56,77.01 ; D130.B15 122.73,78.74 ; D130.B15 121.92,79.55 ; D130.B15 121.11,78.74 ; D130.B15 121.92,77.93 ; D111.A8 404.67,373.38 ; D111.A8 403.05,373.38 ; D111.A8 403.86,374.19 ; D111.A8 403.86,372.57 ; UNK2U2.4 482.49,215.88 ; UNK2U2.4 481.55,214.94 ; UNK2U2.4 483.43,214.94 ; UNK2U2.4 482.49,214 ; 101.6,93.17 D129.A7 ; D129.A7 101.6,94.79 ; D129.A7 100.79,93.98 ; D129.A7 102.41,93.98 ; D123.B10 256.54,61.77 ; D123.B10 256.54,60.15 ; D123.B10 255.73,60.96 ; D123.B10 257.35,60.96 ; 316.69,355.6 D114.A13 ; D114.A13 317.5,354.79 ; D114.A13 318.31,355.6 ; D114.A13 317.5,356.41 ; D126.A4 20.32,77.01 ; D126.A4 19.51,76.2 ; D126.A4 20.32,75.39 ; D126.A4 21.13,76.2 ; 164.29,340.36 CSDPS429.C15 ; CSDPS429.C15 165.1,341.17 ; CSDPS429.C15 165.91,340.36 ; CSDPS429.C15 165.1,339.55 ; D128.B6 25.4,41.45 ; D128.B6 25.4,39.83 ; D128.B6 26.21,40.64 ; D128.B6 24.59,40.64 ; D108.A9 401.32,33.83 ; D108.A9 402.13,33.02 ; D108.A9 401.32,32.21 ; D108.A9 400.51,33.02 ; 184.61,340.36 CSDPS429.C7 ; CSDPS429.C7 185.42,339.55 ; CSDPS429.C7 186.23,340.36 ; CSDPS429.C7 185.42,341.17 ; D126.B5 23.67,78.74 ; D126.B5 22.86,79.55 ; D126.B5 22.86,77.93 ; D126.B5 22.05,78.74 ; D122.B3 239.57,78.74 ; D122.B3 237.95,78.74 ; D122.B3 238.76,79.55 ; D122.B3 238.76,77.93 ; 235.41,342.9 CSDPS425.B16 ; CSDPS425.B16 237.03,342.9 ; CSDPS425.B16 236.22,343.71 ; CSDPS425.B16 236.22,342.09 ; D115.B9 328.47,370.84 ; D115.B9 326.85,370.84 ; D115.B9 327.66,370.03 ; D115.B9 327.66,371.65 ; D113.A14 314.96,333.55 ; D113.A14 314.96,331.93 ; D113.A14 314.15,332.74 ; D113.A14 315.77,332.74 ; CSDPS429.B10 177.8,343.71 ; CSDPS429.B10 178.61,342.9 ; CSDPS429.B10 177.8,342.09 ; CSDPS429.B10 176.99,342.9 ; 342.09,73.66 D102.A15 ; D102.A15 343.71,73.66 ; D102.A15 342.9,72.85 ; D102.A15 342.9,74.47 ; 411.48,83.11 D305.A13 ; D305.A13 411.48,84.53 ; D305.A13 412.19,83.82 ; D305.A13 410.77,83.82 ; 382.73,332.74 D109.A16 ; D109.A16 383.54,333.55 ; D109.A16 384.35,332.74 ; D109.A16 383.54,331.93 ; 268.43,33.02 D124.A15 ; D124.A15 270.05,33.02 ; D124.A15 269.24,33.83 ; D124.A15 269.24,32.21 ; 109.22,39.83 D132.B10 ; D132.B10 109.22,41.45 ; D132.B10 110.03,40.64 ; D132.B10 108.41,40.64 ; 197.31,35.56 D120.A16 ; D120.A16 198.12,34.75 ; D120.A16 198.12,36.37 ; D120.A16 198.93,35.56 ; D122.A16 271.78,77.01 ; D122.A16 271.78,75.39 ; D122.A16 270.97,76.2 ; D122.A16 272.59,76.2 ; 190.5,77.93 D118.B13 ; D118.B13 190.5,79.55 ; D118.B13 191.31,78.74 ; D118.B13 189.69,78.74 ; D109.B11 397.05,330.2 ; D109.B11 396.24,329.39 ; D109.B11 395.43,330.2 ; D109.B11 396.24,331.01 ; 177.09,66.04 D318.A8 ; D318.A8 177.8,65.33 ; D318.A8 177.8,66.75 ; D318.A8 178.51,66.04 ; D302.B14 340.36,71.83 ; D302.B14 339.65,71.12 ; D302.B14 341.07,71.12 ; D302.B14 340.36,70.41 ; 324.31,76.2 D102.A8 ; D102.A8 325.12,77.01 ; D102.A8 325.12,75.39 ; D102.A8 325.93,76.2 ; D126.B4 20.32,82.09 ; D126.B4 20.32,80.47 ; D126.B4 19.51,81.28 ; D126.B4 21.13,81.28 ; 245.57,40.64 D124.B6 ; D124.B6 246.38,41.45 ; D124.B6 247.19,40.64 ; D124.B6 246.38,39.83 ; D306.A12 409.65,66.04 ; D306.A12 408.94,65.33 ; D306.A12 408.94,66.75 ; D306.A12 408.23,66.04 ; D231.A17 160.83,375.92 ; D231.A17 159.21,375.92 ; D231.A17 160.02,376.73 ; D231.A17 160.02,375.11 ; 332.03,63.5 D302.A11 ; D302.A11 332.74,64.21 ; D302.A11 333.45,63.5 ; D302.A11 332.74,62.79 ; 408.94,367.49 D111.B6 ; D111.B6 408.13,368.3 ; D111.B6 409.75,368.3 ; D111.B6 408.94,369.11 ; D305.B12 408.94,92.15 ; D305.B12 408.23,91.44 ; D305.B12 408.94,90.73 ; D305.B12 409.65,91.44 ; D120.B11 185.42,38.91 ; D120.B11 185.42,37.29 ; D120.B11 186.23,38.1 ; D120.B11 184.61,38.1 ; 161.85,71.12 D318.B2 ; D318.B2 163.27,71.12 ; D318.B2 162.56,71.83 ; D318.B2 162.56,70.41 ; 27.13,58.42 D127.B7 ; D127.B7 27.94,57.61 ; D127.B7 28.75,58.42 ; D127.B7 27.94,59.23 ; 176.99,40.64 D120.B8 ; D120.B8 177.8,39.83 ; D120.B8 178.61,40.64 ; D120.B8 177.8,41.45 ; D322.A16 272.49,66.04 ; D322.A16 271.78,66.75 ; D322.A16 271.78,65.33 ; D322.A16 271.07,66.04 ; D124.A8 251.46,36.37 ; D124.A8 250.65,35.56 ; D124.A8 251.46,34.75 ; D124.A8 252.27,35.56 ; 330.2,352.25 D114.A8 ; D114.A8 330.2,353.87 ; D114.A8 331.01,353.06 ; D114.A8 329.39,353.06 ; 314.96,90.73 D301.B4 ; D301.B4 314.96,92.15 ; D301.B4 314.25,91.44 ; D301.B4 315.67,91.44 ; D122.B9 254.81,78.74 ; D122.B9 253.19,78.74 ; D122.B9 254,79.55 ; D122.B9 254,77.93 ; D104.A12 336.09,35.56 ; D104.A12 335.28,34.75 ; D104.A12 335.28,36.37 ; D104.A12 334.47,35.56 ; D116.B16 309.88,389.43 ; D116.B16 309.07,388.62 ; D116.B16 309.88,387.81 ; D116.B16 310.69,388.62 ; 415.75,73.66 D106.A15 ; D106.A15 417.37,73.66 ; D106.A15 416.56,74.47 ; D106.A15 416.56,72.85 ; D130.B2 89.71,81.28 ; D130.B2 88.9,82.09 ; D130.B2 88.09,81.28 ; D130.B2 88.9,80.47 ; 88.9,100.79 D129.B2 ; D129.B2 88.09,101.6 ; D129.B2 89.71,101.6 ; D129.B2 88.9,102.41 ; SITE4.G5 332.33,181.81 ; SITE4.G5 332.81,181.33 ; SITE4.G5 332.33,180.85 ; SITE4.G5 331.85,181.33 ; D102.A7 322.58,74.47 ; D102.A7 321.77,73.66 ; D102.A7 322.58,72.85 ; D102.A7 323.39,73.66 ; 162.56,367.49 D231.B16 ; D231.B16 161.75,368.3 ; D231.B16 163.37,368.3 ; D231.B16 162.56,369.11 ; D106.A10 403.86,77.01 ; D106.A10 403.05,76.2 ; D106.A10 403.86,75.39 ; D106.A10 404.67,76.2 ; 382.73,373.38 D111.A16 ; D111.A16 383.54,374.19 ; D111.A16 384.35,373.38 ; D111.A16 383.54,372.57 ; D131.B11 112.57,58.42 ; D131.B11 111.76,59.23 ; D131.B11 111.76,57.61 ; D131.B11 110.95,58.42 ; 250.95,182.83 SITE3.G15 ; SITE3.G15 251.43,182.35 ; SITE3.G15 251.43,183.31 ; SITE3.G15 251.91,182.83 ; 251.46,39.83 D124.B8 ; D124.B8 252.27,40.64 ; D124.B8 251.46,41.45 ; D124.B8 250.65,40.64 ; 251.43,185.95 SITE3.G19 ; SITE3.G19 251.91,186.43 ; SITE3.G19 251.43,186.91 ; SITE3.G19 250.95,186.43 ; 251.46,85.65 D321.A8 ; D321.A8 252.17,86.36 ; D321.A8 251.46,87.07 ; D321.A8 250.75,86.36 ; 34.75,96.52 D125.A10 ; D125.A10 35.56,97.33 ; D125.A10 36.37,96.52 ; D125.A10 35.56,95.71 ; D132.A7 101.6,33.83 ; D132.A7 100.79,33.02 ; D132.A7 101.6,32.21 ; D132.A7 102.41,33.02 ; D108.A5 391.97,33.02 ; D108.A5 391.16,33.83 ; D108.A5 391.16,32.21 ; D108.A5 390.35,33.02 ; D103.B13 338.63,58.42 ; D103.B13 337.01,58.42 ; D103.B13 337.82,59.23 ; D103.B13 337.82,57.61 ; 238.76,32.21 D124.A3 ; D124.A3 238.76,33.83 ; D124.A3 237.95,33.02 ; D124.A3 239.57,33.02 ; SITE2.G12 333.33,248.41 ; SITE2.G12 333.33,247.45 ; SITE2.G12 332.85,247.93 ; SITE2.G12 333.81,247.93 ; 171.91,342.9 CSDPS429.B12 ; CSDPS429.B12 172.72,342.09 ; CSDPS429.B12 173.53,342.9 ; CSDPS429.B12 172.72,343.71 ; 16.97,99.06 D125.B3 ; D125.B3 